# KiCad board FrontEnd_5G.kicad_pcb (continued)
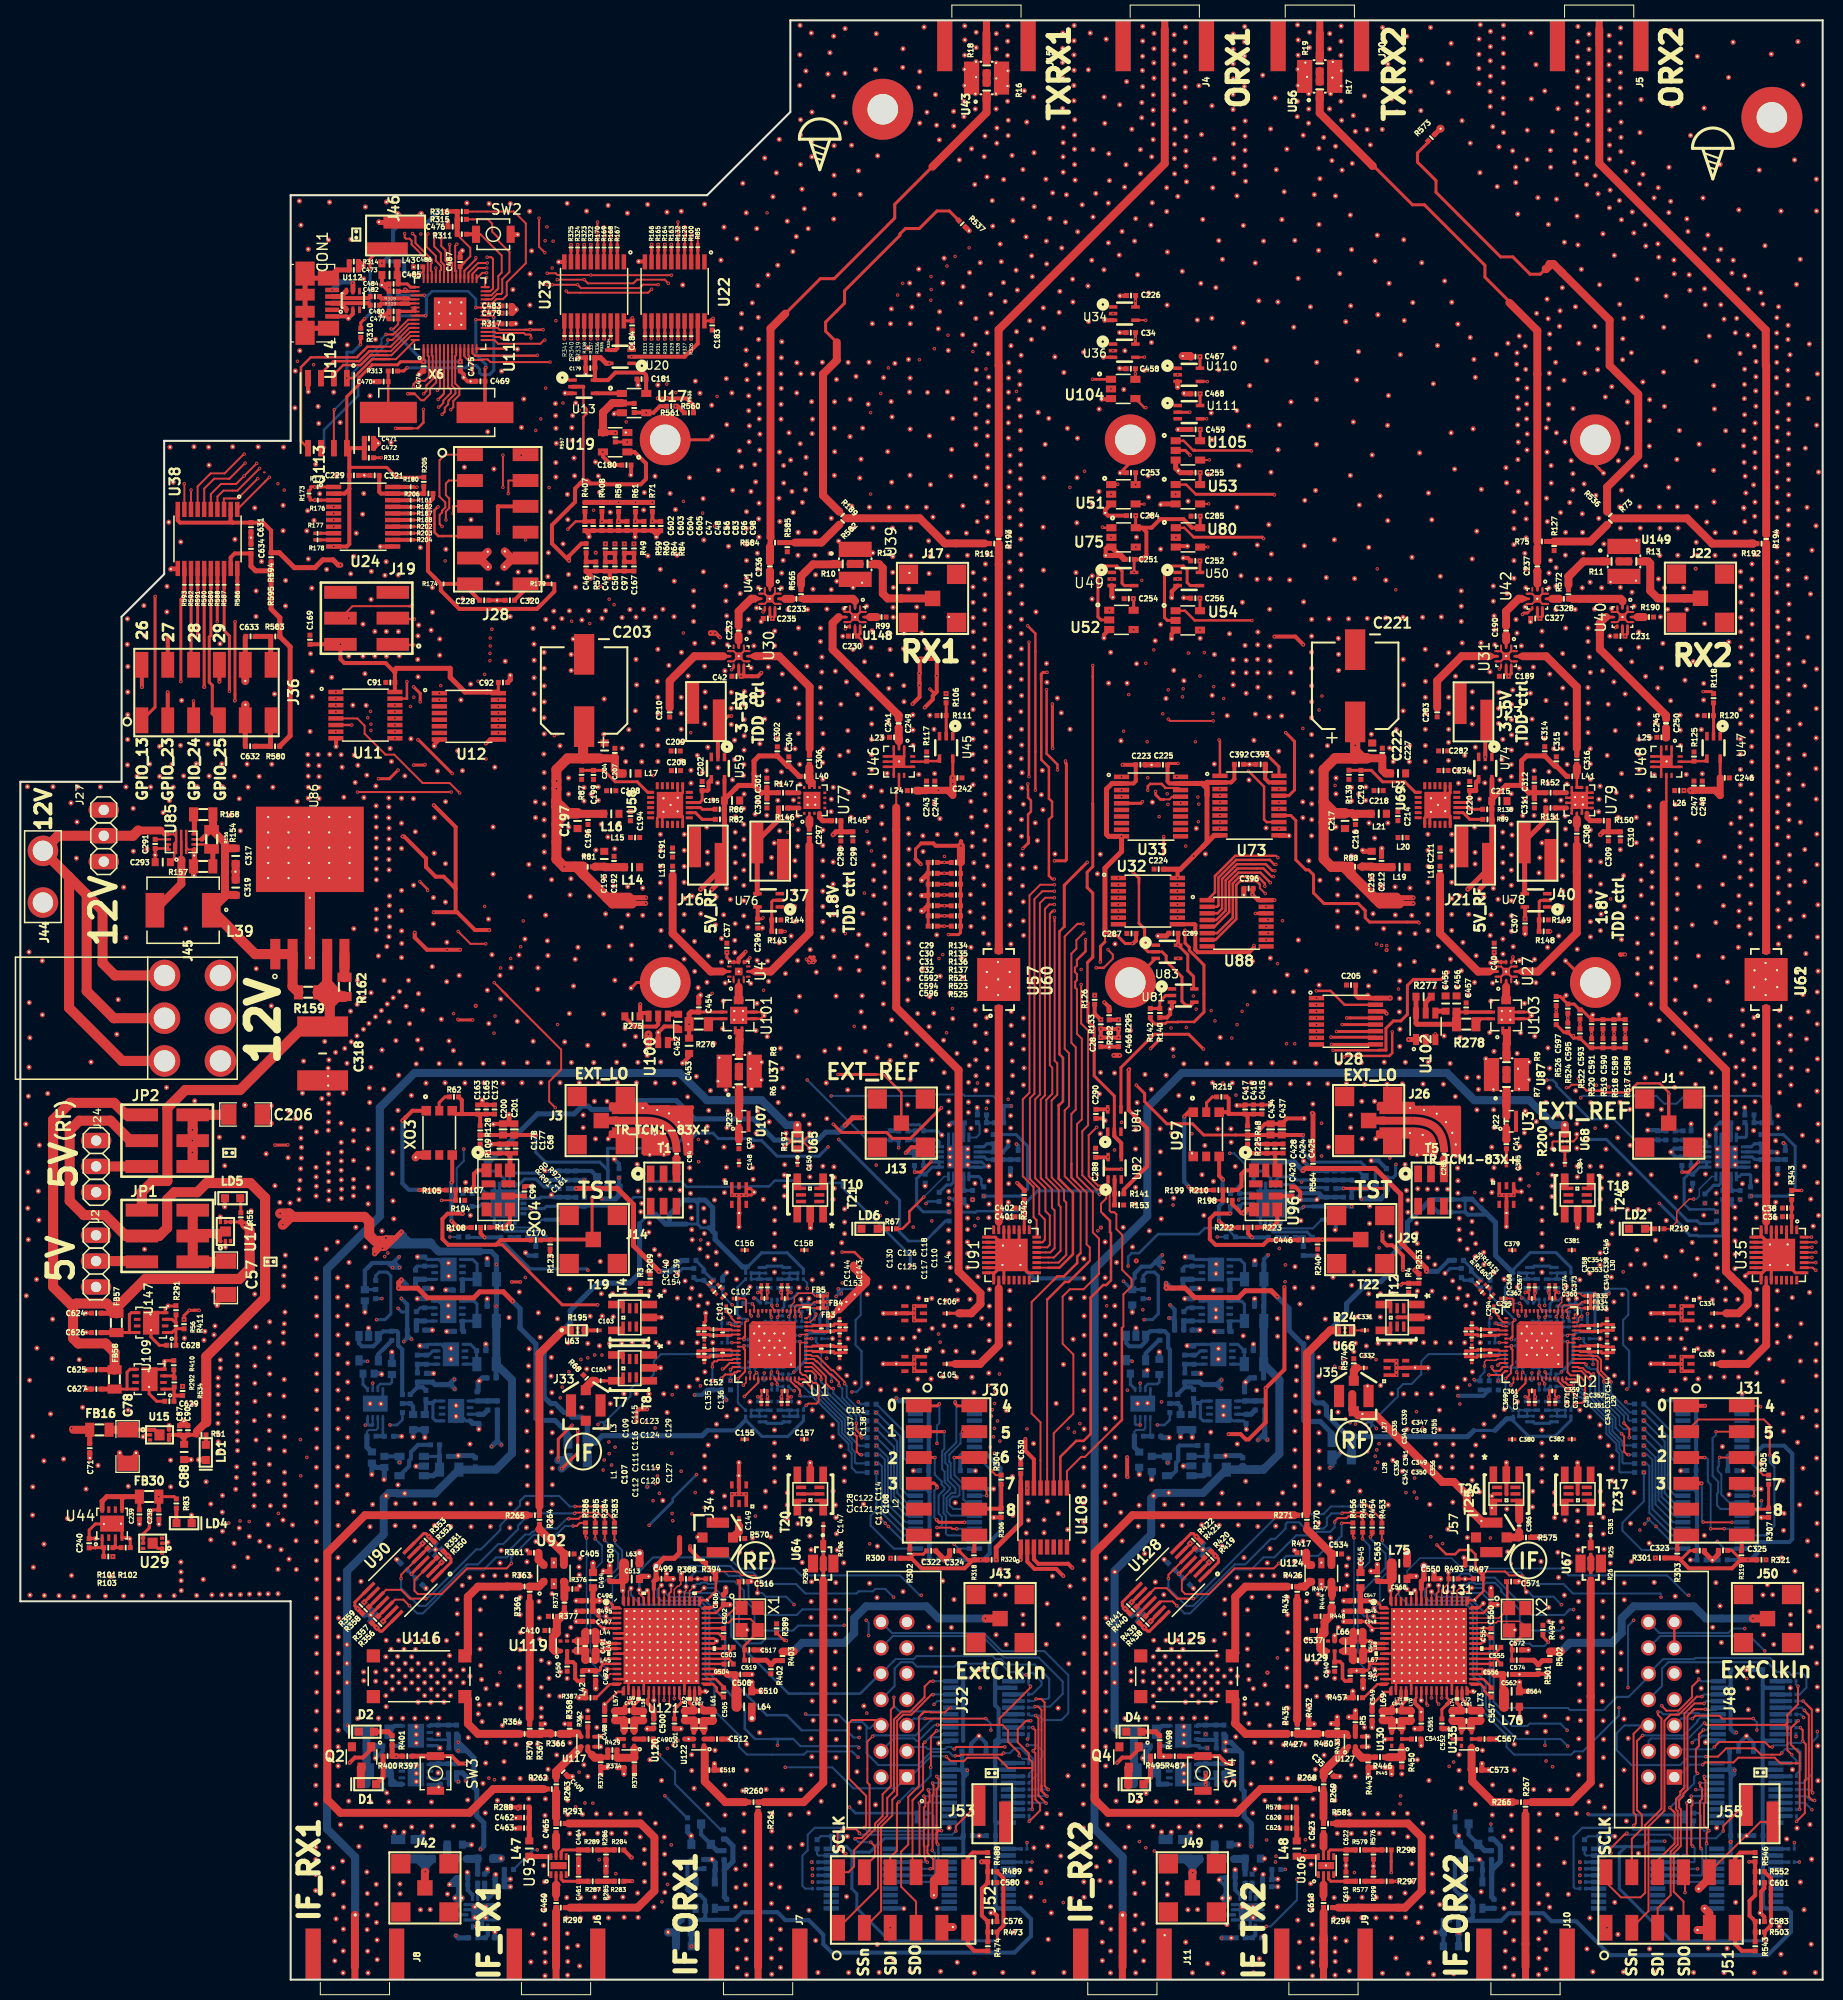
[diagram p0: board, top side]
## Placement (name value [footprint] x y rotation side) (continued)
GND_VIA#1128  VAL**  [GND_VIA#3]  70.28 108.28 90 top
GND_VIA#1129  VAL**  [GND_VIA#3]  70.23 102.15 90 top
GND_VIA#1130  VAL**  [GND_VIA#3]  70.28 103.8 90 top
GND_VIA#1131  VAL**  [GND_VIA#3]  70.28 111.3 90 top
GND_VIA#1132  VAL**  [GND_VIA#3]  70.28 112.78 90 top
GND_VIA#1133  VAL**  [GND_VIA#3]  71.12 113.56 90 top
GND_VIA#1134  VAL**  [GND_VIA#3]  71.12 112.06 90 top
GND_VIA#1135  VAL**  [GND_VIA#3]  71.12 110.56 90 top
GND_VIA#1136  VAL**  [GND_VIA#3]  71.12 109.06 90 top
GND_VIA#1137  VAL**  [GND_VIA#3]  71.12 107.56 90 top
GND_VIA#1138  VAL**  [GND_VIA#3]  71.12 106.06 90 top
GND_VIA#1139  VAL**  [GND_VIA#3]  71.12 104.56 90 top
GND_VIA#1140  VAL**  [GND_VIA#3]  71.51 103.45 90 top
GND_VIA#1141  VAL**  [GND_VIA#3]  76.14 104.01 90 top
GND_VIA#1142  VAL**  [GND_VIA#3]  76.11 105.46 90 top
GND_VIA#1143  VAL**  [GND_VIA#3]  76.13 106.99 90 top
GND_VIA#1144  VAL**  [GND_VIA#3]  76.18 108.48 90 top
GND_VIA#1145  VAL**  [GND_VIA#3]  73.84 108.75 90 top
GND_VIA#1146  VAL**  [GND_VIA#3]  73.84 110.29 90 top
GND_VIA#1147  VAL**  [GND_VIA#3]  72.95 103.37 90 top
GND_VIA#1148  VAL**  [GND_VIA#3]  79.9 109.85 90 top
GND_VIA#1149  VAL**  [GND_VIA#3]  79.94 103.15 90 top
GND_VIA#1150  VAL**  [GND_VIA#3]  79.94 104.72 90 top
GND_VIA#1151  VAL**  [GND_VIA#3]  79.9 107.68 90 top
GND_VIA#1152  VAL**  [GND_VIA#3]  78.84 102.44 90 top
GND_VIA#1153  VAL**  [GND_VIA#3]  78.9 103.98 90 top
GND_VIA#1154  VAL**  [GND_VIA#3]  78.88 105.48 90 top
GND_VIA#1155  VAL**  [GND_VIA#3]  78.88 106.99 90 top
GND_VIA#1156  VAL**  [GND_VIA#3]  78.88 108.48 90 top
GND_VIA#1157  VAL**  [GND_VIA#3]  75.77 102.58 90 top
GND_VIA#1158  VAL**  [GND_VIA#3]  74.6 101.92 90 top
GND_VIA#1159  VAL**  [GND_VIA#3]  73.46 100.12 90 top
GND_VIA#1160  VAL**  [GND_VIA#3]  75.21 98.89 90 top
GND_VIA#1161  VAL**  [GND_VIA#3]  77.64 101.24 90 top
GND_VIA#1162  VAL**  [GND_VIA#3]  76.41 100.17 90 top
GND_VIA#1163  VAL**  [GND_VIA#3]  72.43 100.19 90 top
GND_VIA#1164  VAL**  [GND_VIA#3]  65.18 103.08 90 top
GND_VIA#1165  VAL**  [GND_VIA#3]  68.93 100.02 90 top
GND_VIA#1166  VAL**  [GND_VIA#3]  63.93 101.57 90 top
GND_VIA#1167  VAL**  [GND_VIA#3]  65.25 100.31 90 top
GND_VIA#1168  VAL**  [GND_VIA#3]  66.29 99.1 90 top
GND_VIA#1169  VAL**  [GND_VIA#3]  66.89 104.76 90 top
GND_VIA#1170  VAL**  [GND_VIA#3]  67.64 100.62 90 top
GND_VIA#1171  VAL**  [GND_VIA#3]  66.27 102.05 90 top
GND_VIA#1172  VAL**  [GND_VIA#3]  57.75 112.31 90 top
GND_VIA#1173  VAL**  [GND_VIA#3]  55.78 112.84 90 top
GND_VIA#1174  VAL**  [GND_VIA#3]  56.57 111.02 90 top
GND_VIA#1175  VAL**  [GND_VIA#3]  58.43 111.15 90 top
GND_VIA#1176  VAL**  [GND_VIA#3]  55.39 110.45 90 top
GND_VIA#1177  VAL**  [GND_VIA#3]  65.26 104.7 90 top
GND_VIA#1178  VAL**  [GND_VIA#3]  65.31 106.27 90 top
GND_VIA#1179  VAL**  [GND_VIA#3]  65.25 107.86 90 top
GND_VIA#1180  VAL**  [GND_VIA#3]  62.98 103.12 90 top
GND_VIA#1181  VAL**  [GND_VIA#3]  67.55 109.68 90 top
GND_VIA#1182  VAL**  [GND_VIA#3]  67.55 110.83 90 top
GND_VIA#1183  VAL**  [GND_VIA#3]  62.93 106.29 90 top
GND_VIA#1184  VAL**  [GND_VIA#3]  62.91 104.7 90 top
GND_VIA#1185  VAL**  [GND_VIA#3]  62.91 107.81 90 top
GND_VIA#1186  VAL**  [GND_VIA#3]  67.47 113.29 90 top
GND_VIA#1187  VAL**  [GND_VIA#3]  66.04 106.5 90 top
GND_VIA#1188  VAL**  [GND_VIA#3]  50.63 115.76 90 top
GND_VIA#1189  VAL**  [GND_VIA#3]  50.64 114.21 90 top
GND_VIA#1190  VAL**  [GND_VIA#3]  66.55 120.33 90 top
GND_VIA#1191  VAL**  [GND_VIA#3]  67.58 121.14 90 top
GND_VIA#1192  VAL**  [GND_VIA#3]  67.28 123.43 90 top
GND_VIA#1193  VAL**  [GND_VIA#3]  64.99 130.46 270 top
GND_VIA#1194  VAL**  [GND_VIA#3]  68.12 131.39 270 top
GND_VIA#1195  VAL**  [GND_VIA#3]  67.34 125.07 270 top
GND_VIA#1196  VAL**  [GND_VIA#3]  66.29 131.35 90 top
GND_VIA#1197  VAL**  [GND_VIA#3]  67.26 129.09 90 top
GND_VIA#1198  VAL**  [GND_VIA#3]  67.32 126.57 90 top
GND_VIA#1199  VAL**  [GND_VIA#3]  65.64 128.14 90 top
GND_VIA#1200  VAL**  [GND_VIA#3]  62.61 127.61 90 top
GND_VIA#1201  VAL**  [GND_VIA#3]  63.75 129.18 270 top
GND_VIA#1202  VAL**  [GND_VIA#3]  64.63 116.17 90 top
GND_VIA#1203  VAL**  [GND_VIA#3]  52.22 108.11 90 top
GND_VIA#1204  VAL**  [GND_VIA#3]  54.12 108.21 90 top
GND_VIA#1205  VAL**  [GND_VIA#3]  61.18 107.29 90 top
GND_VIA#1206  VAL**  [GND_VIA#3]  55.95 106.48 90 top
GND_VIA#1207  VAL**  [GND_VIA#3]  59.74 104.65 90 top
GND_VIA#1208  VAL**  [GND_VIA#3]  54.04 106.62 90 top
GND_VIA#1209  VAL**  [GND_VIA#3]  59.71 107.44 90 top
GND_VIA#1210  VAL**  [GND_VIA#3]  57.35 108.27 90 top
GND_VIA#1211  VAL**  [GND_VIA#3]  58.3 107.49 90 top
GND_VIA#1212  VAL**  [GND_VIA#3]  57.53 104.75 90 top
GND_VIA#1213  VAL**  [GND_VIA#3]  61.18 104.61 90 top
GND_VIA#1214  VAL**  [GND_VIA#3]  64.26 133.97 90 top
GND_VIA#1215  VAL**  [GND_VIA#3]  59.15 133.88 90 top
GND_VIA#1216  VAL**  [GND_VIA#3]  60.51 133.93 90 top
GND_VIA#1217  VAL**  [GND_VIA#3]  62.43 133.93 90 top
GND_VIA#1218  VAL**  [GND_VIA#3]  55.2 133.64 90 top
GND_VIA#1219  VAL**  [GND_VIA#3]  53.24 133.78 90 top
GND_VIA#1220  VAL**  [GND_VIA#3]  51.65 133.69 90 top
GND_VIA#1221  VAL**  [GND_VIA#3]  57.18 133.81 90 top
GND_VIA#1222  VAL**  [GND_VIA#3]  66.19 136.5 90 top
GND_VIA#1223  VAL**  [GND_VIA#3]  66.19 135 90 top
GND_VIA#1224  VAL**  [GND_VIA#3]  66.19 133.5 90 top
GND_VIA#1225  VAL**  [GND_VIA#3]  51.49 127.17 90 top
GND_VIA#1226  VAL**  [GND_VIA#3]  51.49 122.45 90 top
GND_VIA#1227  VAL**  [GND_VIA#3]  51.49 124.03 90 top
GND_VIA#1228  VAL**  [GND_VIA#3]  51.49 125.59 90 top
GND_VIA#1229  VAL**  [GND_VIA#3]  51.49 130.47 90 top
GND_VIA#1230  VAL**  [GND_VIA#3]  51.49 128.89 90 top
GND_VIA#1231  VAL**  [GND_VIA#3]  53.04 121.28 90 top
GND_VIA#1232  VAL**  [GND_VIA#3]  54.15 130.25 90 top
GND_VIA#1233  VAL**  [GND_VIA#3]  54.15 128.68 90 top
GND_VIA#1234  VAL**  [GND_VIA#3]  54.35 131.77 90 top
GND_VIA#1235  VAL**  [GND_VIA#3]  59.82 122.86 90 top
GND_VIA#1236  VAL**  [GND_VIA#3]  59.51 119.72 90 top
GND_VIA#1237  VAL**  [GND_VIA#3]  61.09 119.71 90 top
GND_VIA#1238  VAL**  [GND_VIA#3]  61.12 121.3 90 top
GND_VIA#1239  VAL**  [GND_VIA#3]  59.16 121.03 90 top
GND_VIA#1240  VAL**  [GND_VIA#3]  68.4 106.43 90 top
GND_VIA#1241  VAL**  [GND_VIA#3]  69.4 107.26 90 top
GND_VIA#1242  VAL**  [GND_VIA#3]  69.8 106.18 90 top
GND_VIA#1243  VAL**  [GND_VIA#3]  69.14 104.66 90 top
GND_VIA#1244  VAL**  [GND_VIA#3]  68.93 102.33 90 top
GND_VIA#1245  VAL**  [GND_VIA#3]  60.52 129.77 90 top
GND_VIA#1246  VAL**  [GND_VIA#3]  62.67 130.76 90 top
GND_VIA#1247  VAL**  [GND_VIA#3]  85.65 94.33 90 top
GND_VIA#1248  VAL**  [GND_VIA#3]  87.1 93.03 90 top
GND_VIA#1249  VAL**  [GND_VIA#3]  88.16 91.89 90 top
GND_VIA#1250  VAL**  [GND_VIA#3]  89.62 90.41 90 top
GND_VIA#1251  VAL**  [GND_VIA#3]  92.07 91.04 90 top
GND_VIA#1252  VAL**  [GND_VIA#3]  89.33 93.67 90 top
GND_VIA#1253  VAL**  [GND_VIA#3]  88.21 94.96 90 top
GND_VIA#1254  VAL**  [GND_VIA#3]  90.75 92.33 90 top
GND_VIA#1255  VAL**  [GND_VIA#3]  32.25 163.29 90 top
GND_VIA#1256  VAL**  [GND_VIA#3]  35.52 166.57 90 top
GND_VIA#1257  VAL**  [GND_VIA#3]  35.46 163.59 90 top
GND_VIA#1258  VAL**  [GND_VIA#3]  39.21 157.8 90 top
GND_VIA#1259  VAL**  [GND_VIA#3]  43.58 157.48 90 top
GND_VIA#1260  VAL**  [GND_VIA#3]  48.73 164.16 90 top
GND_VIA#1261  VAL**  [GND_VIA#3]  48.7 162.77 90 top
GND_VIA#1262  VAL**  [GND_VIA#3]  41.15 162.66 90 top
GND_VIA#1263  VAL**  [GND_VIA#3]  41.15 164.86 90 top
GND_VIA#1264  VAL**  [GND_VIA#3]  41.15 163.75 90 top
GND_VIA#1265  VAL**  [GND_VIA#3]  42.24 162.66 90 top
GND_VIA#1266  VAL**  [GND_VIA#3]  42.24 164.86 90 top
GND_VIA#1267  VAL**  [GND_VIA#3]  42.24 163.75 90 top
GND_VIA#1268  VAL**  [GND_VIA#3]  43.35 162.66 90 top
GND_VIA#1269  VAL**  [GND_VIA#3]  43.35 163.75 90 top
GND_VIA#1270  VAL**  [GND_VIA#3]  43.35 164.86 90 top
GND_VIA#1271  VAL**  [GND_VIA#3]  48.88 171.52 90 top
GND_VIA#1272  VAL**  [GND_VIA#6]  42.01 171.81 90 top
GND_VIA#1273  VAL**  [GND_VIA#3]  44.26 157.1 90 top
GND_VIA#1274  VAL**  [GND_VIA#3]  34.76 157.07 90 top
GND_VIA#1275  VAL**  [GND_VIA#3]  35.18 151 90 top
GND_VIA#1276  VAL**  [GND_VIA#3]  33.7 168.47 90 top
GND_VIA#1277  VAL**  [GND_VIA#3]  21.15 108.91 0 top
GND_VIA#1278  VAL**  [GND_VIA#3]  13.26 110.55 0 top
GND_VIA#1279  VAL**  [GND_VIA#3]  17.09 110.5 0 top
GND_VIA#1280  VAL**  [GND_VIA#3]  28.46 106.34 0 top
GND_VIA#1281  VAL**  [GND_VIA#3]  17.06 108.52 0 top
GND_VIA#1282  VAL**  [GND_VIA#3]  24.37 114.27 0 top
GND_VIA#1283  VAL**  [GND_VIA#3]  26.37 114.27 0 top
GND_VIA#1284  VAL**  [GND_VIA#3]  28.37 114.27 0 top
GND_VIA#1285  VAL**  [GND_VIA#3]  30.37 114.27 0 top
GND_VIA#1286  VAL**  [GND_VIA#3]  32.37 114.27 0 top
GND_VIA#1287  VAL**  [GND_VIA#3]  24.37 112.77 0 top
GND_VIA#1288  VAL**  [GND_VIA#3]  26.37 112.77 0 top
GND_VIA#1289  VAL**  [GND_VIA#3]  28.37 112.77 0 top
GND_VIA#1290  VAL**  [GND_VIA#3]  30.37 112.77 0 top
GND_VIA#1291  VAL**  [GND_VIA#3]  32.37 112.77 0 top
GND_VIA#1292  VAL**  [GND_VIA#3]  24.37 111.27 0 top
GND_VIA#1293  VAL**  [GND_VIA#3]  26.37 111.27 0 top
GND_VIA#1294  VAL**  [GND_VIA#3]  28.37 111.27 0 top
GND_VIA#1295  VAL**  [GND_VIA#3]  30.37 111.27 0 top
GND_VIA#1296  VAL**  [GND_VIA#3]  32.37 111.27 0 top
GND_VIA#1297  VAL**  [GND_VIA#3]  24.37 109.77 0 top
GND_VIA#1298  VAL**  [GND_VIA#3]  26.37 109.77 0 top
GND_VIA#1299  VAL**  [GND_VIA#3]  28.37 109.77 0 top
GND_VIA#1300  VAL**  [GND_VIA#3]  30.37 109.77 0 top
GND_VIA#1301  VAL**  [GND_VIA#3]  32.37 109.77 0 top
GND_VIA#1302  VAL**  [GND_VIA#3]  24.37 108.27 0 top
GND_VIA#1303  VAL**  [GND_VIA#3]  26.37 108.27 0 top
GND_VIA#1304  VAL**  [GND_VIA#3]  28.37 108.27 0 top
GND_VIA#1305  VAL**  [GND_VIA#3]  30.37 108.27 0 top
GND_VIA#1306  VAL**  [GND_VIA#3]  32.37 108.27 0 top
GND_VIA#1307  VAL**  [GND_VIA#3]  28.46 103.34 0 top
GND_VIA#1308  VAL**  [GND_VIA#3]  28.46 100.44 0 top
GND_VIA#1309  VAL**  [GND_VIA#3]  31.75 87.13 180 top
GND_VIA#1310  VAL**  [GND_VIA#3]  29.64 86.6 180 top
GND_VIA#1311  VAL**  [GND_VIA#3]  27.73 87.13 180 top
GND_VIA#1312  VAL**  [GND_VIA#3]  19.34 66.28 0 top
GND_VIA#1313  VAL**  [GND_VIA#3]  18.97 67.69 0 top
GND_VIA#1314  VAL**  [GND_VIA#3]  20.16 72 0 top
GND_VIA#1315  VAL**  [GND_VIA#3]  19.66 74.97 0 top
GND_VIA#1316  VAL**  [GND_VIA#3]  20.09 75.96 0 top
GND_VIA#1317  VAL**  [GND_VIA#3]  6.83 51.28 0 top
GND_VIA#1318  VAL**  [GND_VIA#3]  9.77 51.78 0 top
GND_VIA#1319  VAL**  [GND_VIA#3]  11.38 51.78 0 top
GND_VIA#1320  VAL**  [GND_VIA#3]  16.06 54.89 0 top
GND_VIA#1321  VAL**  [GND_VIA#3]  16.78 51.11 0 top
GND_VIA#1322  VAL**  [GND_VIA#3]  17.52 51.11 0 top
GND_VIA#1323  VAL**  [GND_VIA#3]  14.63 54.48 0 top
GND_VIA#1324  VAL**  [GND_VIA#3]  12.06 53.37 0 top
GND_VIA#1325  VAL**  [GND_VIA#3]  24.65 84.17 90 top
GND_VIA#1326  VAL**  [GND_VIA#3]  24.63 85.9 90 top
GND_VIA#1327  VAL**  [GND_VIA#3]  14.49 42.99 90 top
GND_VIA#1328  VAL**  [GND_VIA#3]  7.4 43.37 90 top
GND_VIA#1329  VAL**  [GND_VIA#3]  16.83 45.66 270 top
GND_VIA#1330  VAL**  [GND_VIA#3]  13.62 44.78 270 top
GND_VIA#1331  VAL**  [GND_VIA#3]  11.7 44.78 270 top
GND_VIA#1332  VAL**  [GND_VIA#3]  9.91 44.81 270 top
GND_VIA#1333  VAL**  [GND_VIA#3]  8.2 44.8 270 top
GND_VIA#1334  VAL**  [GND_VIA#3]  6.48 65.52 0 top
GND_VIA#1335  VAL**  [GND_VIA#3]  6.49 63.62 0 top
GND_VIA#1336  VAL**  [GND_VIA#3]  12.84 63.84 0 top
GND_VIA#1337  VAL**  [GND_VIA#3]  12.8 65.38 0 top
GND_VIA#1338  VAL**  [GND_VIA#3]  6.49 58.05 0 top
GND_VIA#1339  VAL**  [GND_VIA#3]  6.48 59.95 0 top
GND_VIA#1340  VAL**  [GND_VIA#3]  12.62 59.8 0 top
GND_VIA#1341  VAL**  [GND_VIA#3]  12.66 58.26 0 top
GND_VIA#1342  VAL**  [GND_VIA#3]  14.19 60.77 0 top
GND_VIA#1343  VAL**  [GND_VIA#3]  14.52 66.22 0 top
GND_VIA#1344  VAL**  [GND_VIA#3]  10.75 43.33 270 top
GND_VIA#1345  VAL**  [GND_VIA#3]  110.11 177.53 90 top
GND_VIA#1346  VAL**  [GND_VIA#3]  110.31 189.05 90 top
GND_VIA#1347  VAL**  [GND_VIA#3]  110.33 190.55 90 top
GND_VIA#1348  VAL**  [GND_VIA#3]  110.31 187.66 90 top
GND_VIA#1349  VAL**  [GND_VIA#3]  111.43 188.41 90 top
GND_VIA#1350  VAL**  [GND_VIA#3]  111.44 186.9 90 top
GND_VIA#1351  VAL**  [GND_VIA#3]  111.44 191.3 90 top
GND_VIA#1352  VAL**  [GND_VIA#3]  111.44 189.8 90 top
GND_VIA#1353  VAL**  [GND_VIA#3]  111.36 183.75 90 top
GND_VIA#1354  VAL**  [GND_VIA#3]  111.37 185.25 90 top
GND_VIA#1355  VAL**  [GND_VIA#3]  111.36 180.86 90 top
GND_VIA#1356  VAL**  [GND_VIA#3]  111.34 182.37 90 top
GND_VIA#1357  VAL**  [GND_VIA#3]  110.25 184.5 90 top
GND_VIA#1358  VAL**  [GND_VIA#3]  110.24 183 90 top
GND_VIA#1359  VAL**  [GND_VIA#3]  110.33 186.06 90 top
GND_VIA#1360  VAL**  [GND_VIA#3]  110.11 179.88 90 top
GND_VIA#1361  VAL**  [GND_VIA#3]  111.22 179.17 90 top
GND_VIA#1362  VAL**  [GND_VIA#3]  114.53 190.42 90 top
GND_VIA#1363  VAL**  [GND_VIA#3]  114.55 191.92 90 top
GND_VIA#1364  VAL**  [GND_VIA#3]  114.53 184.52 90 top
GND_VIA#1365  VAL**  [GND_VIA#3]  114.52 186.02 90 top
GND_VIA#1366  VAL**  [GND_VIA#3]  114.53 187.52 90 top
GND_VIA#1367  VAL**  [GND_VIA#3]  114.53 189.03 90 top
GND_VIA#1368  VAL**  [GND_VIA#3]  113.41 188.28 90 top
GND_VIA#1369  VAL**  [GND_VIA#3]  113.42 186.77 90 top
GND_VIA#1370  VAL**  [GND_VIA#3]  113.4 185.27 90 top
GND_VIA#1371  VAL**  [GND_VIA#3]  113.41 183.77 90 top
GND_VIA#1372  VAL**  [GND_VIA#3]  113.43 191.17 90 top
GND_VIA#1373  VAL**  [GND_VIA#3]  113.42 189.67 90 top
GND_VIA#1374  VAL**  [GND_VIA#3]  113.47 180.4 90 top
GND_VIA#1375  VAL**  [GND_VIA#3]  113.47 181.9 90 top
GND_VIA#1376  VAL**  [GND_VIA#3]  113.47 177.5 90 top
GND_VIA#1377  VAL**  [GND_VIA#3]  113.46 179 90 top
GND_VIA#1378  VAL**  [GND_VIA#3]  114.58 179.75 90 top
GND_VIA#1379  VAL**  [GND_VIA#3]  114.59 178.25 90 top
GND_VIA#1380  VAL**  [GND_VIA#3]  114.59 182.65 90 top
GND_VIA#1381  VAL**  [GND_VIA#3]  114.59 181.15 90 top
GND_VIA#1382  VAL**  [GND_VIA#3]  114.64 176.72 90 top
GND_VIA#1383  VAL**  [GND_VIA#3]  110.33 191.99 90 top
GND_VIA#1384  VAL**  [GND_VIA#3]  123.62 164.9 90 top
GND_VIA#1385  VAL**  [GND_VIA#7]  87.84 189.16 90 top
GND_VIA#1386  VAL**  [GND_VIA#3]  92.84 190.66 90 top
GND_VIA#1387  VAL**  [GND_VIA#3]  92.83 187.77 90 top
GND_VIA#1388  VAL**  [GND_VIA#7]  88.94 188.52 90 top
GND_VIA#1389  VAL**  [GND_VIA#7]  88.96 187 90 top
GND_VIA#1390  VAL**  [GND_VIA#7]  88.97 191.41 90 top
GND_VIA#1391  VAL**  [GND_VIA#7]  88.96 189.91 90 top
GND_VIA#1392  VAL**  [GND_VIA#3]  93.88 183.87 90 top
GND_VIA#1393  VAL**  [GND_VIA#7]  88.88 185.37 90 top
GND_VIA#1394  VAL**  [GND_VIA#3]  89.12 183.55 90 top
GND_VIA#1395  VAL**  [GND_VIA#3]  90.34 180.83 90 top
GND_VIA#1396  VAL**  [GND_VIA#3]  92.77 184.62 90 top
GND_VIA#1397  VAL**  [GND_VIA#3]  92.75 183.12 90 top
GND_VIA#1398  VAL**  [GND_VIA#3]  92.84 186.18 90 top
GND_VIA#1399  VAL**  [GND_VIA#3]  88.41 182.48 90 top
GND_VIA#1400  VAL**  [GND_VIA#3]  97.06 190.53 90 top
GND_VIA#1401  VAL**  [GND_VIA#3]  97.06 192.03 90 top
GND_VIA#1402  VAL**  [GND_VIA#7]  92.05 184.62 90 top
GND_VIA#1403  VAL**  [GND_VIA#7]  92.03 186.12 90 top
GND_VIA#1404  VAL**  [GND_VIA#7]  92.06 187.62 90 top
GND_VIA#1405  VAL**  [GND_VIA#3]  97.05 189.13 90 top
GND_VIA#1406  VAL**  [GND_VIA#3]  95.93 188.38 90 top
GND_VIA#1407  VAL**  [GND_VIA#7]  90.94 186.88 90 top
GND_VIA#1408  VAL**  [GND_VIA#7]  90.91 185.38 90 top
GND_VIA#1409  VAL**  [GND_VIA#7]  90.93 183.88 90 top
GND_VIA#1410  VAL**  [GND_VIA#3]  95.94 191.28 90 top
GND_VIA#1411  VAL**  [GND_VIA#3]  95.94 189.78 90 top
GND_VIA#1412  VAL**  [GND_VIA#7]  90.99 180.5 90 top
GND_VIA#1413  VAL**  [GND_VIA#7]  91 182 90 top
GND_VIA#1414  VAL**  [GND_VIA#3]  96.66 176.93 90 top
GND_VIA#1415  VAL**  [GND_VIA#7]  92.49 179.3 90 top
GND_VIA#1416  VAL**  [GND_VIA#7]  89.75 179.18 90 top
GND_VIA#1417  VAL**  [GND_VIA#3]  92.31 178.86 90 top
GND_VIA#1418  VAL**  [GND_VIA#7]  92.12 182.75 90 top
GND_VIA#1419  VAL**  [GND_VIA#7]  92.11 181.25 90 top
GND_VIA#1420  VAL**  [GND_VIA#3]  81.71 180.3 90 top
GND_VIA#1421  VAL**  [GND_VIA#7]  87.84 192.04 90 top
GND_VIA#1422  VAL**  [GND_VIA#8]  134.93 177.86 90 top
GND_VIA#1423  VAL**  [GND_VIA#3]  125.61 189.16 90 top
GND_VIA#1424  VAL**  [GND_VIA#3]  125.62 190.66 90 top
GND_VIA#1425  VAL**  [GND_VIA#3]  125.59 187.77 90 top
GND_VIA#1426  VAL**  [GND_VIA#8]  131.32 188.42 90 top
GND_VIA#1427  VAL**  [GND_VIA#3]  126.49 187.03 90 top
GND_VIA#1428  VAL**  [GND_VIA#8]  131.74 191.41 90 top
GND_VIA#1429  VAL**  [GND_VIA#8]  131.72 189.91 90 top
GND_VIA#1430  VAL**  [GND_VIA#8]  131.65 183.87 90 top
GND_VIA#1431  VAL**  [GND_VIA#8]  131.66 185.37 90 top
GND_VIA#1432  VAL**  [GND_VIA#3]  128.12 181.07 90 top
GND_VIA#1433  VAL**  [GND_VIA#8]  131.64 182.48 90 top
GND_VIA#1434  VAL**  [GND_VIA#8]  130.53 184.62 90 top
GND_VIA#1435  VAL**  [GND_VIA#8]  130.53 183.12 90 top
GND_VIA#1436  VAL**  [GND_VIA#8]  130.62 186.18 90 top
GND_VIA#1437  VAL**  [GND_VIA#3]  130.93 178.52 90 top
GND_VIA#1438  VAL**  [GND_VIA#8]  134.83 190.53 90 top
GND_VIA#1439  VAL**  [GND_VIA#8]  134.84 192.03 90 top
GND_VIA#1440  VAL**  [GND_VIA#8]  134.81 184.62 90 top
GND_VIA#1441  VAL**  [GND_VIA#8]  134.81 186.12 90 top
GND_VIA#1442  VAL**  [GND_VIA#8]  134.83 187.62 90 top
GND_VIA#1443  VAL**  [GND_VIA#8]  134.81 189.13 90 top
GND_VIA#1444  VAL**  [GND_VIA#8]  134.01 188.5 90 top
GND_VIA#1445  VAL**  [GND_VIA#8]  133.97 186.95 90 top
GND_VIA#1446  VAL**  [GND_VIA#8]  133.8 185.37 90 top
GND_VIA#1447  VAL**  [GND_VIA#8]  133.69 183.88 90 top
GND_VIA#1448  VAL**  [GND_VIA#8]  133.72 191.28 90 top
GND_VIA#1449  VAL**  [GND_VIA#8]  133.71 189.78 90 top
GND_VIA#1450  VAL**  [GND_VIA#3]  132.71 180.34 90 top
GND_VIA#1451  VAL**  [GND_VIA#3]  131.23 181.66 90 top
GND_VIA#1452  VAL**  [GND_VIA#3]  175.47 150.53 90 top
GND_VIA#1453  VAL**  [GND_VIA#3]  171.5 170.43 90 top
GND_VIA#1454  VAL**  [GND_VIA#8]  134.89 182.75 90 top
GND_VIA#1455  VAL**  [GND_VIA#3]  131.03 183.22 90 top
GND_VIA#1456  VAL**  [GND_VIA#3]  154.8 177.31 90 top
GND_VIA#1457  VAL**  [GND_VIA#3]  153.97 176.43 90 top
GND_VIA#1458  VAL**  [GND_VIA#3]  153.08 188.98 90 top
GND_VIA#1459  VAL**  [GND_VIA#3]  153.09 190.48 90 top
GND_VIA#1460  VAL**  [GND_VIA#3]  153.06 187.59 90 top
GND_VIA#1461  VAL**  [GND_VIA#3]  154.19 188.34 90 top
GND_VIA#1462  VAL**  [GND_VIA#3]  154.19 186.82 90 top
GND_VIA#1463  VAL**  [GND_VIA#3]  154.21 191.23 90 top
GND_VIA#1464  VAL**  [GND_VIA#3]  154.19 189.73 90 top
GND_VIA#1465  VAL**  [GND_VIA#3]  154.12 183.69 90 top
GND_VIA#1466  VAL**  [GND_VIA#3]  154.12 185.19 90 top
GND_VIA#1467  VAL**  [GND_VIA#3]  154.12 180.79 90 top
GND_VIA#1468  VAL**  [GND_VIA#3]  154.11 182.3 90 top
GND_VIA#1469  VAL**  [GND_VIA#3]  153 184.44 90 top
GND_VIA#1470  VAL**  [GND_VIA#3]  153 182.94 90 top
GND_VIA#1471  VAL**  [GND_VIA#3]  153.09 186 90 top
GND_VIA#1472  VAL**  [GND_VIA#3]  152.87 179.81 90 top
GND_VIA#1473  VAL**  [GND_VIA#3]  153.97 179.1 90 top
GND_VIA#1474  VAL**  [GND_VIA#3]  157.3 190.35 90 top
GND_VIA#1475  VAL**  [GND_VIA#3]  157.31 191.85 90 top
GND_VIA#1476  VAL**  [GND_VIA#3]  157.28 184.44 90 top
GND_VIA#1477  VAL**  [GND_VIA#3]  157.28 185.94 90 top
GND_VIA#1478  VAL**  [GND_VIA#3]  157.3 187.44 90 top
GND_VIA#1479  VAL**  [GND_VIA#3]  157.28 188.96 90 top
GND_VIA#1480  VAL**  [GND_VIA#3]  156.17 188.21 90 top
GND_VIA#1481  VAL**  [GND_VIA#3]  156.18 186.69 90 top
GND_VIA#1482  VAL**  [GND_VIA#3]  156.16 185.19 90 top
GND_VIA#1483  VAL**  [GND_VIA#3]  156.17 183.69 90 top
GND_VIA#1484  VAL**  [GND_VIA#3]  156.19 191.1 90 top
GND_VIA#1485  VAL**  [GND_VIA#3]  156.18 189.6 90 top
GND_VIA#1486  VAL**  [GND_VIA#3]  156.24 181.82 90 top
GND_VIA#1487  VAL**  [GND_VIA#3]  156.22 178.94 90 top
GND_VIA#1488  VAL**  [GND_VIA#3]  157.34 179.69 90 top
GND_VIA#1489  VAL**  [GND_VIA#3]  157.36 182.57 90 top
GND_VIA#1490  VAL**  [GND_VIA#3]  157.34 181.07 90 top
GND_VIA#1491  VAL**  [GND_VIA#3]  156.28 175.9 90 top
GND_VIA#1492  VAL**  [GND_VIA#3]  153.12 191.98 90 top
GND_VIA#1493  VAL**  [GND_VIA#3]  105.44 173.25 90 top
GND_VIA#1494  VAL**  [GND_VIA#3]  108.55 176.19 90 top
GND_VIA#1495  VAL**  [GND_VIA#3]  99.48 167.39 90 top
GND_VIA#1496  VAL**  [GND_VIA#3]  100.89 168.64 90 top
GND_VIA#1497  VAL**  [GND_VIA#3]  102.37 170.21 90 top
GND_VIA#1498  VAL**  [GND_VIA#3]  103.94 171.8 90 top
GND_VIA#1499  VAL**  [GND_VIA#3]  99.41 169.43 90 top
GND_VIA#1500  VAL**  [GND_VIA#3]  97.89 168.02 90 top
GND_VIA#1501  VAL**  [GND_VIA#3]  96.64 166.8 90 top
GND_VIA#1502  VAL**  [GND_VIA#3]  95.37 165.65 90 top
GND_VIA#1503  VAL**  [GND_VIA#3]  106.95 174.62 90 top
GND_VIA#1504  VAL**  [GND_VIA#3]  100.86 170.88 90 top
GND_VIA#1505  VAL**  [GND_VIA#3]  93.86 160.7 90 top
GND_VIA#1506  VAL**  [GND_VIA#3]  93.93 163.28 90 top
GND_VIA#1507  VAL**  [GND_VIA#3]  95.02 161.88 90 top
GND_VIA#1508  VAL**  [GND_VIA#3]  95.47 163.81 90 top
GND_VIA#1509  VAL**  [GND_VIA#3]  98.01 166.07 90 top
GND_VIA#1510  VAL**  [GND_VIA#3]  96.81 164.95 90 top
GND_VIA#1511  VAL**  [GND_VIA#3]  108.69 178.39 90 top
GND_VIA#1512  VAL**  [GND_VIA#3]  104.38 174.45 90 top
GND_VIA#1513  VAL**  [GND_VIA#3]  105.72 175.57 90 top
GND_VIA#1514  VAL**  [GND_VIA#3]  107.06 176.83 90 top
GND_VIA#1515  VAL**  [GND_VIA#3]  102.74 172.74 90 top
GND_VIA#1516  VAL**  [GND_VIA#3]  105.32 169 90 top
GND_VIA#1517  VAL**  [GND_VIA#3]  109.64 173.09 90 top
GND_VIA#1518  VAL**  [GND_VIA#3]  108.3 171.83 90 top
GND_VIA#1519  VAL**  [GND_VIA#3]  106.96 170.71 90 top
GND_VIA#1520  VAL**  [GND_VIA#3]  111.27 174.65 90 top
GND_VIA#1521  VAL**  [GND_VIA#3]  99.39 161.21 90 top
GND_VIA#1522  VAL**  [GND_VIA#3]  100.59 162.33 90 top
GND_VIA#1523  VAL**  [GND_VIA#3]  97.38 160.6 90 top
GND_VIA#1524  VAL**  [GND_VIA#3]  103.44 167.14 90 top
GND_VIA#1525  VAL**  [GND_VIA#3]  109.53 170.88 90 top
GND_VIA#1526  VAL**  [GND_VIA#3]  97.93 161.98 90 top
GND_VIA#1527  VAL**  [GND_VIA#3]  99.22 163.06 90 top
GND_VIA#1528  VAL**  [GND_VIA#3]  100.56 164.32 90 top
GND_VIA#1529  VAL**  [GND_VIA#3]  102.18 165.94 90 top
GND_VIA#1530  VAL**  [GND_VIA#3]  106.52 168.06 90 top
GND_VIA#1531  VAL**  [GND_VIA#3]  104.95 166.47 90 top
GND_VIA#1532  VAL**  [GND_VIA#3]  103.47 164.9 90 top
GND_VIA#1533  VAL**  [GND_VIA#3]  102.12 163.87 90 top
GND_VIA#1534  VAL**  [GND_VIA#3]  111.13 172.45 90 top
GND_VIA#1535  VAL**  [GND_VIA#3]  108.02 169.51 90 top
GND_VIA#1536  VAL**  [GND_VIA#3]  112.69 176.13 90 top
GND_VIA#1537  VAL**  [GND_VIA#3]  112.69 173.79 90 top
GND_VIA#1538  VAL**  [GND_VIA#3]  82.39 177.79 90 top
GND_VIA#1539  VAL**  [GND_VIA#3]  86.74 187.95 90 top
GND_VIA#1540  VAL**  [GND_VIA#3]  85.97 158.86 90 top
GND_VIA#1541  VAL**  [GND_VIA#3]  66.81 155.93 90 top
GND_VIA#1542  VAL**  [GND_VIA#3]  96.43 168.86 90 top
GND_VIA#1543  VAL**  [GND_VIA#3]  97.57 172.88 90 top
GND_VIA#1544  VAL**  [GND_VIA#3]  101.2 173.11 90 top
GND_VIA#1545  VAL**  [GND_VIA#3]  92.63 161.68 90 top
GND_VIA#1546  VAL**  [GND_VIA#3]  74.85 160.99 90 top
GND_VIA#1547  VAL**  [GND_VIA#3]  117.52 166.31 90 top
GND_VIA#1548  VAL**  [GND_VIA#3]  90.36 163.94 90 top
GND_VIA#1549  VAL**  [GND_VIA#3]  76.84 175.99 90 top
GND_VIA#1550  VAL**  [GND_VIA#3]  99.65 179.57 90 top
GND_VIA#1551  VAL**  [GND_VIA#3]  118.17 169.09 90 top
GND_VIA#1552  VAL**  [GND_VIA#3]  64.97 173.81 90 top
GND_VIA#1553  VAL**  [GND_VIA#3]  77.45 172.11 90 top
GND_VIA#1554  VAL**  [GND_VIA#3]  82.56 175.47 90 top
GND_VIA#1555  VAL**  [GND_VIA#3]  77.07 174.06 90 top
GND_VIA#1556  VAL**  [GND_VIA#3]  79.96 173.05 90 top
GND_VIA#1557  VAL**  [GND_VIA#3]  72.54 163.38 90 top
GND_VIA#1558  VAL**  [GND_VIA#3]  70.87 162.32 90 top
GND_VIA#1559  VAL**  [GND_VIA#3]  75.94 169.85 90 top
GND_VIA#1560  VAL**  [GND_VIA#3]  70.9 163.76 90 top
GND_VIA#1561  VAL**  [GND_VIA#3]  69.17 172.26 90 top
GND_VIA#1562  VAL**  [GND_VIA#3]  72.51 166.51 90 top
GND_VIA#1563  VAL**  [GND_VIA#3]  72.39 172.11 90 top
GND_VIA#1564  VAL**  [GND_VIA#3]  88.33 185.99 90 top
GND_VIA#1565  VAL**  [GND_VIA#3]  77.22 187.6 90 top
GND_VIA#1566  VAL**  [GND_VIA#3]  113.78 175.28 90 top
GND_VIA#1567  VAL**  [GND_VIA#3]  122.21 170.88 90 top
GND_VIA#1568  VAL**  [GND_VIA#3]  74.32 177.59 90 top
GND_VIA#1569  VAL**  [GND_VIA#3]  93.82 176.44 90 top
GND_VIA#1570  VAL**  [GND_VIA#3]  79.58 189.4 90 top
GND_VIA#1571  VAL**  [GND_VIA#3]  79.39 187.3 90 top
GND_VIA#1572  VAL**  [GND_VIA#3]  72.57 161.22 90 top
GND_VIA#1573  VAL**  [GND_VIA#3]  71.6 154.21 90 top
GND_VIA#1574  VAL**  [GND_VIA#3]  71.66 152.72 90 top
GND_VIA#1575  VAL**  [GND_VIA#3]  71.64 151.15 90 top
GND_VIA#1576  VAL**  [GND_VIA#3]  71.6 155.67 90 top
GND_VIA#1577  VAL**  [GND_VIA#3]  71.43 157.25 90 top
GND_VIA#1578  VAL**  [GND_VIA#3]  71.34 158.72 90 top
GND_VIA#1579  VAL**  [GND_VIA#3]  71.35 160.17 90 top
GND_VIA#1580  VAL**  [GND_VIA#3]  33.82 147.87 0 top
GND_VIA#1581  VAL**  [GND_VIA#3]  125.56 192.13 90 top
GND_VIA#1582  VAL**  [GND_VIA#3]  46.87 135.57 90 top
GND_VIA#1583  VAL**  [GND_VIA#3]  50.51 129.69 90 top
GND_VIA#1584  VAL**  [GND_VIA#3]  50.49 131.27 90 top
GND_VIA#1585  VAL**  [GND_VIA#3]  50.4 132.82 90 top
GND_VIA#1586  VAL**  [GND_VIA#3]  50.51 126.4 90 top
GND_VIA#1587  VAL**  [GND_VIA#3]  50.49 124.83 90 top
GND_VIA#1588  VAL**  [GND_VIA#3]  50.51 127.97 90 top
GND_VIA#1589  VAL**  [GND_VIA#3]  57.53 134.56 90 top